# Altium PCB 606-100835-r03.pcbdoc (part 2 of 3) (continued)
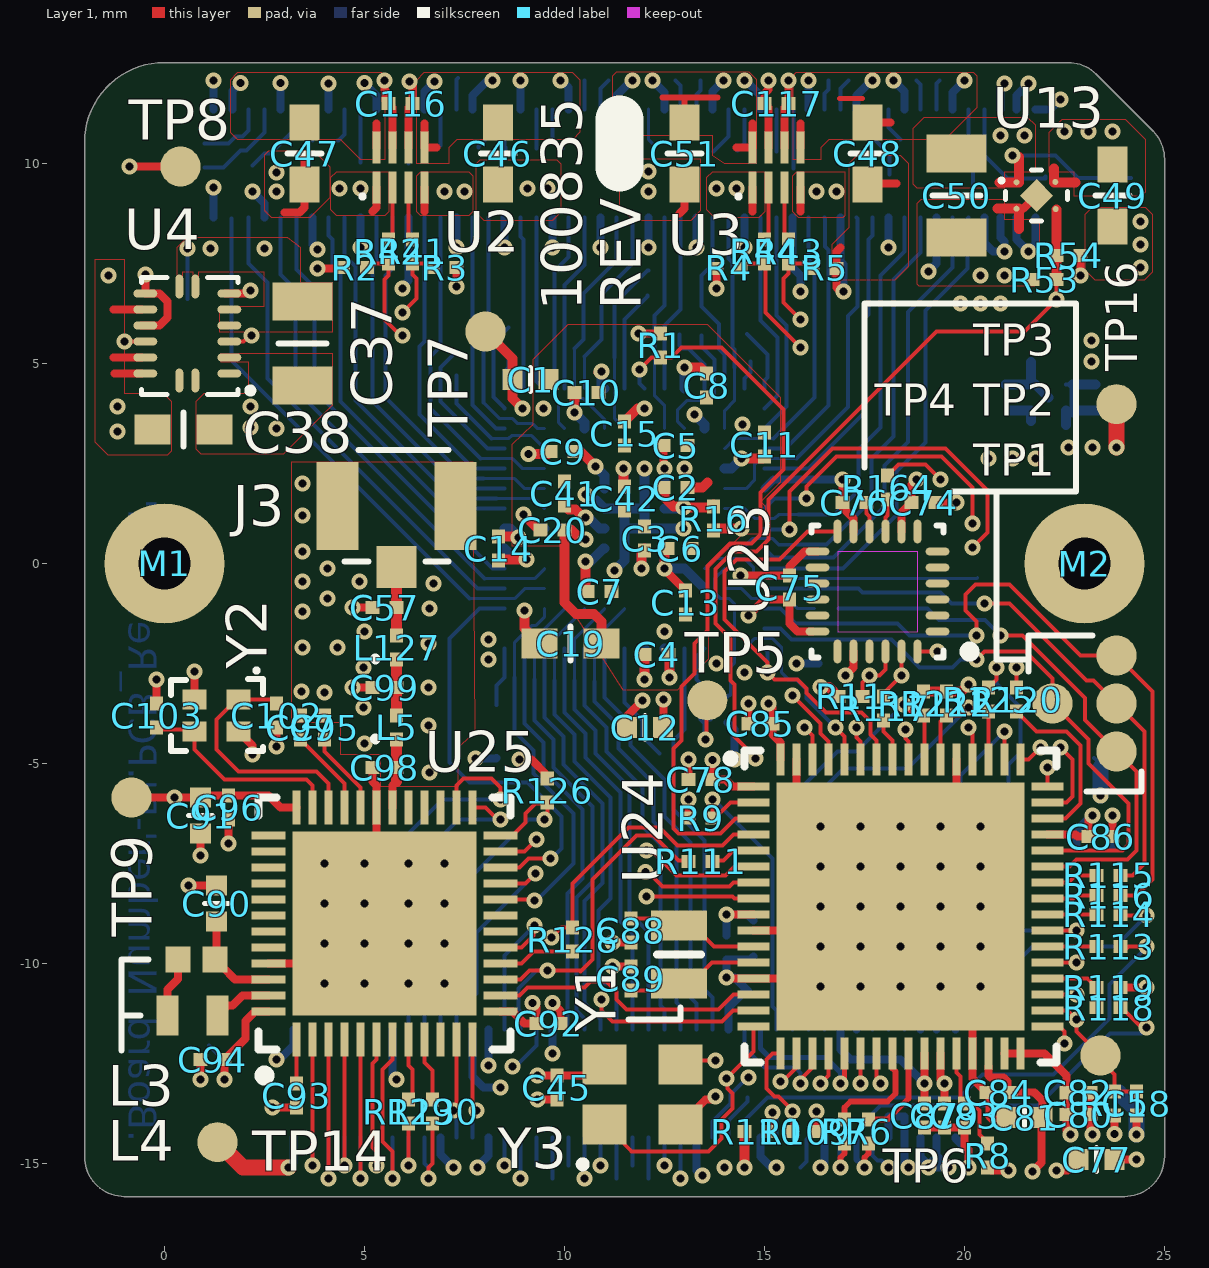
[diagram p0: Layer 1 view]
## Nets (pads, with @x,y where several pads share a name; then routed paths per layer and width w, separated by ;. In a path a pad name is that pad's centre, name@x,y a point inside that pad or via, vN(x,y) a via of type N, cw(c..) or ccw(c..) an arc to the next point about the centre after c; other vN are vias at no path point) (continued)
  Layer 6 w0.1: 8.75,-2.85 8.75,-4.2 9.225,-4.675 9.225,-5.25 10.225,-6.25 10.225,-7.5 9.325,-8.4 9.275,-8.4 v1(9.25,-8.425)
NRF_NCS: U24.14 U25.14 | length 7
  Layer 1 w0.1: U25.14@8.4,-10.8 8.875,-10.8 9.075,-10.6 10.5,-10.6 10.65,-10.45 11.05,-10.45 11.3,-10.7 11.3,-10.9 11.55,-11.15 13.85,-11.15 14.225,-10.775 U24.14@14.725,-10.775
NRF_NRST: J2.18 R126.2 U25.24 | length 8.7
  Layer 1 w0.1: U25.24@8.4,-6.8 8.7,-6.8 9.025,-6.475 9.025,-6.25 9.275,-6 9.544,-6 R126.2@9.569,-5.975 9.569,-6.419 9.55,-6.4 v1(9.5,-6.4)
  Layer 6 w0.1: J2.18@6.9,-11.645 6.9,-11.175 7.4,-10.675 7.4,-8.1 9.1,-6.4 v1(9.5,-6.4)
NRF_SWDCLK: J2.16 U25.25 | length 7.5
  Layer 1 w0.1: U25.25@7.7,-6.1 8.025,-6.1 8.325,-6.4 v1(8.4,-6.4)
  Layer 6 w0.1: J2.16@6.5,-11.645 6.5,-11.15 6.6,-11.05 6.6,-7.15 7.35,-6.4 v1(8.4,-6.4)
NRF_SWDIO: J2.14 U25.26 | length 10.1
  Layer 1 w0.1: U25.26@7.3,-6.1 7.3,-5.55 7.475,-5.375 8.175,-5.375 8.4,-5.6 v1(8.4,-5.9)
  Layer 6 w0.1: J2.14@6.1,-11.645 6.1,-11.15 5.6,-10.65 5.6,-7.25 6.95,-5.9 v1(8.4,-5.9)
NRF_SWO: J2.20 U25.21 | length 5.7
  Layer 1 w0.1: U25.21@8.4,-8 9.025,-8 v1(9.275,-7.75)
  Layer 6 w0.1: J2.20@7.3,-11.645 7.3,-11.25 7.8,-10.75 7.8,-9.225 v1(9.275,-7.75)
POWER_EN: R53.1 R54.2 U4.3 U4.12 U13.3 U24.16 Y3.1 | length 67.6
  Layer 1 w0.1: v1(-1,5.55) U4.12@-0.48,5.55 ; U4.3@1.62,5.55 1.975,5.55 2.125,5.7 v1(2.175,5.7) v1@2.175,5.575 ; Y3.1@11.006,-14.025 11.681,-14.7 13.6,-14.7 13.925,-14.375 13.925,-13.9 14.2,-13.625 14.2,-13.255 14.075,-13.13 v1@14.075,-13.025 ; v1@14.1,-12.875 v1(14.05,-12.875) 14.725,-12.2 U24.16@14.725,-11.575 ; v1(14.78,-4.88) 14.78,-4.855 14.374,-4.449 14.249,-4.323 14.249,-3.355 14.25,-3.354 14.25,-3.02 14.15,-2.92 14.15,-1.875 13.779,-1.504 13.779,-0.138 14.217,0.3 14.8,0.3 15.1,0.6 15.1,1.6 19.3,5.8 21.5,5.8 v1(22.3,6.6) R53.1@22.3,7.1
  Layer 1 w0.25: R53.1@22.3,7.1 R54.2@22.3,7.7 U13.3@22.3,8.85
  Layer 3 w0.1: v1@2.225,5.725 2.213,5.687 v1@2.175,5.575 ; v1@2.25,5.575 v1@2.175,5.575 ; v1(22.3,6.6) 22.3,8.075 21.525,8.85 -0.225,8.85 -1,8.075 v1(-1,5.55) 1.55,5.55 1.7,5.7 2.05,5.7 v1@2.175,5.575
  Layer 4 w0.1: v1(14.05,-12.875) 14.05,-12.85 14.225,-12.675 14.225,-11.965 13.5,-11.24 13.5,-9.286 13.3,-9.086 13.3,-8.29 14.1,-7.49 14.1,-5.56 14.76,-4.9 v1@14.8,-4.9
RADIO_GPIO_1: J2.1 U25.2 | length 3.9
  Layer 1 w0.1: v1@3.7,-15.099 v1(3.7,-15.05) U25.2@3.7,-11.9
  Layer 6 w0.1: v1(3.7,-15.05) J2.1@3.7,-14.355
RADIO_GPIO_2: J2.3 U25.3 | length 4.5
  Layer 1 w0.1: v1(4.1,-15.375) U25.3@4.1,-11.9
  Layer 6 w0.1: v1(4.1,-15.375) J2.3@4.1,-14.355
RADIO_GPIO_3: J2.5 U25.4 | length 3.8
  Layer 1 w0.1: v1(4.5,-15.05) U25.4@4.5,-11.9
  Layer 6 w0.1: v1(4.5,-15.05) J2.5@4.5,-14.355
RADIO_GPIO_4: J2.7 U25.5 | length 4.5
  Layer 1 w0.1: v1(4.9,-15.375) U25.5@4.9,-11.9
  Layer 6 w0.1: v1(4.9,-15.375) J2.7@4.9,-14.355
RADIO_GPIO_5: J2.9 U25.6 | length 3.9
  Layer 1 w0.1: v1(5.3,-15.05) 5.3,-14.7 5.2,-14.6 5.2,-12.5 5.3,-12.4 U25.6@5.3,-11.9
  Layer 6 w0.1: v1(5.3,-15.05) J2.9@5.3,-14.355
RADIO_GPIO_6: J2.11 U25.7 | length 4.7
  Layer 1 w0.1: v1(5.7,-15.375) 5.7,-14.7 5.45,-14.45 5.45,-12.65 5.7,-12.4 U25.7@5.7,-11.9
  Layer 6 w0.1: v1(5.7,-15.375) J2.11@5.7,-14.355
RADIO_GPIO_7: J2.13 R129.1 | length 1.7
  Layer 1 w0.1: v1(6.1,-15.05) R129.1@6.1,-14
  Layer 6 w0.1: v1(6.1,-15.05) J2.13@6.1,-14.355
RADIO_GPIO_8: J2.15 R130.1 | length 2.5
  Layer 1 w0.1: v1(6.6,-15.375) 6.6,-15.1 6.7,-15 R130.1@6.7,-14
  Layer 6 w0.1: J2.15@6.5,-14.355 6.5,-15 6.6,-15.1 v1(6.6,-15.375)
SCL: J2.59 R110.2 U24.8 | length 11.6
  Layer 1 w0.1: v1(12.05,-8.325) 14.2,-8.325 14.25,-8.375 U24.8@14.725,-8.375 ; R110.2@15.1,-14.2 15.2,-14.1 v1(15.2,-13.725)
  Layer 4 w0.1: v1(12.05,-8.325) 12.05,-8.35 12.6,-8.9 12.6,-12.775 13.55,-13.725 v1(15.2,-13.725)
  Layer 6 w0.1: v1(15.2,-13.725) 15.3,-13.825 J2.59@15.3,-14.355
SDA: J2.61 R109.2 U24.17 | length 3.2
  Layer 1 w0.1: U24.17@15.4,-12.25 15.2,-12.25 15.05,-12.4 15.05,-13.125 15.25,-13.325 15.35,-13.325 15.7,-13.675 v1(15.7,-13.7) R109.2@15.7,-14.2
  Layer 6 w0.1: J2.61@15.7,-14.355 v1(15.7,-13.7)
SENSOR_A1: J1.1 U1.C11 | length 13.9
  Layer 6 w0.083: 7.625,-0.875 8.75,-0.875 9,-0.625 U1.C11@9.5,-0.625
  Layer 6 w0.1: J1.1@1.675,8.62 1.675,5.075 7.625,-0.875
SENSOR_A2: J1.4 U1.D11 | length 20.9
  Layer 4 w0.1: v2(1,10.5) -0.12,9.38 -0.12,7.005 -0.225,6.9 -0.225,4.275 1.6,2.45 3.775,2.45 5.85,0.375 6.725,0.375 7.85,-0.75 9.875,-0.75 v2(10,-0.625)
  Layer 6 w0.1: v2(1,10.5) 1.6,10.5 1.775,10.675 1.95,10.675 2.1,10.825 J1.4@2.1,11.355
SENSOR_A3: J1.7 U1.C10 | length 12.7
  Layer 6 w0.083: 8,-0.375 9.25,-0.375 U1.C10@9.5,-0.125
  Layer 6 w0.1: J1.7@2.9,8.645 2.9,7.225 3.275,6.85 3.275,4.35 8,-0.375
SENSOR_A4: J1.10 U1.D9 | length 17.3
  Layer 4 w0.1: v2(2.2,9.95) 2.15,9.95 1.7,9.5 1.7,8.025 2.74,6.985 2.74,4.985 6.525,1.2 6.9,1.2 8.4,-0.3 9.325,-0.3 v2(10,0.375)
  Layer 6 w0.1: v2(2.2,9.95) 2.5,10.25 2.65,10.25 3.3,10.9 J1.10@3.3,11.355
SENSOR_A5: J1.13 U1.A7 | length 9.9
  Layer 6 w0.1: J1.13@4.1,8.645 4.1,8.2 4.2,8.1 4.2,7.5 4.4,7.3 4.4,4.05 7.075,1.375 U1.A7@8.5,1.375
SENSOR_A6: J1.16 U1.D7 | length 14
  Layer 4 w0.1: v2(4.325,10.575) 4.325,10.025 3.95,9.65 3.95,9.175 4.35,8.775 4.35,4.775 7.25,1.875 9.249,1.875 9.749,1.375 v2(10,1.375)
  Layer 6 w0.1: v2(4.325,10.575) 4.35,10.575 4.5,10.725 J1.16@4.5,11.355
SENSOR_A7: J1.19 U1.A6 | length 8.8
  Layer 6 w0.1: J1.19@5.3,8.645 5.3,7.525 5.2,7.425 5.2,4.05 7.375,1.875 U1.A6@8.5,1.875
SENSOR_A8: J1.22 U1.D5 | length 12
  Layer 4 w0.1: v2(5.7,10.525) 5.7,7.35 5.525,7.175 5.525,4.975 7.725,2.775 8.35,2.775 8.75,2.375 v2(10,2.375)
  Layer 6 w0.1: v2(5.7,10.525) J1.22@5.7,11.355
SENSOR_A9: J1.25 U1.A5 | length 7.7
  Layer 6 w0.1: J1.25@6.5,8.645 6.5,5.55 6.375,5.425 6.375,3.725 7.725,2.375 U1.A5@8.5,2.375
SENSOR_A10: J1.28 U1.A4 | length 10
  Layer 4 w0.1: v2(6.9,10.45) 6.9,9.9 6.575,9.575 6.575,7.8 6.875,7.5 6.875,6.675 7.3,6.25 v2(7.3,5.3)
  Layer 6 w0.1: v2(6.9,10.45) J1.28@6.9,11.355 ; v2(7.3,5.3) 6.9,4.9 6.9,4.05 8.075,2.875 U1.A4@8.5,2.875
SENSOR_A11: J1.31 U1.A3 | length 5.7
  Layer 6 w0.1: J1.31@7.7,8.645 7.7,3.959 8.284,3.375 U1.A3@8.5,3.375
SENSOR_A12: J1.34 U1.A2 | length 8.2
  Layer 4 w0.1: v2(7.85,10.4) 7.85,10.025 8.2,9.675 8.2,8.275 8.1,8.175 8.1,7.375 8.6,6.875 v2(8.6,5.9)
  Layer 6 w0.1: v2(7.85,10.4) 7.85,10.425 8.1,10.675 J1.34@8.1,11.355 ; U1.A2@8.5,3.875 8.5,3.887 8.225,4.162 8.225,5.525 v2(8.6,5.9)
SENSOR_A13: J1.37 U1.B1 | length 4.3
  Layer 6 w0.1: J1.37@8.9,8.645 8.9,8.175 8.975,8.1 8.975,4.4 U1.B1@9,4.375
SENSOR_A14: J1.40 U1.E4 | length 9.6
  Layer 4 w0.1: v2(9.3,10.375) 9.3,10.4 10,9.7 10,8.975 9.325,8.3 9.325,4.625 9.85,4.1 9.85,3.525 v2(10.5,2.875)
  Layer 6 w0.1: v2(9.3,10.375) J1.40@9.3,11.355
SENSOR_A15: J1.43 U1.D3 | length 5.5
  Layer 6 w0.083: 9.75,4.5 9.75,4.271 9.751,4.149 9.85,4.05 9.85,3.525 U1.D3@10,3.375
  Layer 6 w0.1: 9.75,4.5 9.75,7.31 10.1,7.66 J1.43@10.1,8.645
SENSOR_A16: J1.46 U1.G4 | length 10.5
  Layer 4 w0.1: v2(10.5,12.075) 10.5,10.6 10.675,10.425 10.675,8.425 10.475,8.225 10.475,4.65 11.125,4 11.125,3.55 11.5,3.175 v2(11.5,2.875)
  Layer 6 w0.1: J1.46@10.5,11.355 v2(10.5,12.075)
SENSOR_A17: J1.49 U1.F3 | length 6.1
  Layer 6 w0.083: 10.251,4.27 10.251,4.199 10.325,4.125 10.475,4.125 11,3.6 U1.F3@11,3.375 ; 10.25,4.271 10.25,5.149 10.251,5.376
  Layer 6 w0.1: 10.251,5.376 10.47,5.595 10.47,6.745 11.3,7.575 J1.49@11.3,8.645
SENSOR_A18: J1.52 U1.G1 | length 7.6
  Layer 4 w0.1: v2(11.6,10.5) 11.6,10.125 11.45,9.975 11.45,8.6 11.7,8.35 11.7,7.075 v2(12.075,6.7)
  Layer 6 w0.1: U1.G1@11.5,4.375 11.5,6.1 12.075,6.675 v2(12.075,6.7) ; v2(11.6,10.5) 11.7,10.6 J1.52@11.7,11.355
SENSOR_A19: J1.55 U1.J3 | length 5.5
  Layer 6 w0.083: 12.25,4.271 12.25,5.174 ; 12.251,4.27 12.251,4.198 12.5,3.949 U1.J3@12.5,3.375
  Layer 6 w0.1: 12.251,5.175 12.251,6.201 12.5,6.45 J1.55@12.5,8.645
SENSOR_A20: J1.58 U1.L1 | length 8.9
  Layer 4 w0.1: v2(12.775,12.075) 12.775,8.525 12.675,8.425 12.675,6.575 12.875,6.375 v2(12.875,5.725)
  Layer 6 w0.1: v2(12.775,12.075) 12.9,11.95 J1.58@12.9,11.355 ; v2(12.875,5.725) 12.875,5.45 12.95,5.375 13.1,5.375 13.5,4.975 U1.L1@13.5,4.375
SENSOR_A21: J1.61 U1.M1 | length 4.6
  Layer 6 w0.1: J1.61@13.7,8.645 13.7,7.475 13.425,7.2 13.425,6.425 13.863,5.987 13.863,5.362 14,5.225 U1.M1@14,4.375
SENSOR_A22: J1.64 U1.N1 | length 8
  Layer 4 w0.1: v2(13.725,10.3) 13.675,10.3 13.65,10.325 13.688,10.288 13.4,10 13.4,8.95 13.875,8.475 13.875,7.475 14.2,7.15 14.2,5.45 14.6,5.05 v2(14.65,5.05)
  Layer 6 w0.1: v2(13.725,10.3) 14.1,10.675 J1.64@14.1,11.355 ; U1.N1@14.5,4.375 14.5,4.625 14.65,4.775 v2(14.65,5.05)
SENSOR_A23: J1.67 U1.P2 | length 5.1
  Layer 6 w0.1: J1.67@14.9,8.645 14.9,6.075 15.325,5.65 15.325,4.2 U1.P2@15,3.875
SENSOR_A24: J1.70 U1.K4 | length 10.5
  Layer 4 w0.1: v2(13,2.875) 13,3.375 12.8,3.575 12.8,4 13.15,4.35 14.675,4.35 15.2,4.875 15.2,9.9 15.3,10 v2(15.3,10.3)
  Layer 6 w0.1: v2(15.3,10.3) 15.3,10.9 J1.70@15.3,11.355
SENSOR_A25: J1.73 U1.M4 | length 7.3
  Layer 6 w0.083: U1.M4@14,2.875 14.249,3.125 15.225,3.125
  Layer 6 w0.1: 15.225,3.125 16.25,4.15 16.25,7.45 16.1,7.6 J1.73@16.1,8.645
SENSOR_A26: J1.76 U1.L5 | length 12.6
  Layer 4 w0.1: v2(13.5,2.375) 14.25,3.125 14.775,3.125 16.3,4.65 16.3,8.15 17.25,9.1 17.25,9.725 16.6,10.375 v2(16.6,12.075)
  Layer 6 w0.1: J1.76@16.5,11.355 16.5,11.75 16.6,11.85 v2(16.6,12.075)
SENSOR_A27: J1.79 U1.M6 | length 9
  Layer 6 w0.083: U1.M6@14,1.875 14.538,1.875 14.75,2.088 14.75,2.478 14.897,2.625 15.804,2.625
  Layer 6 w0.1: 15.804,2.625 17.09,3.91 17.09,6.19 17.325,6.425 17.325,8.62 J1.79@17.3,8.645
SENSOR_A28: J1.82 U1.L8 | length 12.8
  Layer 4 w0.1: v2(13.5,0.875) 13.825,0.875 17.37,4.42 17.37,8.295 18.125,9.05 v2(18.125,9.725)
  Layer 6 w0.1: J1.82@17.7,11.355 17.7,10.65 18.125,10.225 v2(18.125,9.725)
SENSOR_A29: J1.85 U1.M7 | length 11
  Layer 6 w0.083: U1.M7@14,1.375 14.501,1.375 14.75,1.125 15.251,1.125 15.35,1.225 15.85,1.225
  Layer 6 w0.1: 15.85,1.225 16.75,1.225 17.35,1.825 17.35,2.85 17.9,3.4 17.9,7.2 18.5,7.8 J1.85@18.5,8.645
SENSOR_A30: J1.88 U1.L12 | length 17.2
  Layer 4 w0.1: v2(13.5,-1.125) 13.5,-0.525 14.075,0.05 15.45,0.05 17.425,2.025 17.425,3.225 18.175,3.975 18.175,7.375 19.125,8.325 19.125,10.725 18.8,11.05 v2(18.8,12.075)
  Layer 6 w0.1: v2(18.8,12.075) 18.9,11.975 J1.88@18.9,11.355
SENSOR_A31: J1.91 U1.P9 | length 11.5
  Layer 6 w0.1: U1.P9@15,0.375 15.225,0.15 16.72,0.15 18,1.43 18,2.45 18.59,3.04 18.59,6.29 19.7,7.4 J1.91@19.7,8.645
SENSOR_A32: J1.94 U1.J12 | length 18.1
  Layer 4 w0.1: v2(12.5,-1.125) 13.075,-1.7 15.175,-1.7 18.075,1.2 18.075,2.725 19.52,4.17 19.52,7.07 20.225,7.775 v2(20.225,9.425)
  Layer 6 w0.1: J1.94@20.1,11.355 20.1,9.975 20.212,9.862 20.212,9.437 v2(20.225,9.425)
SENSOR_B1: J1.3 U1.A11 | length 12.3
  Layer 6 w0.1: J1.3@2.1,8.645 2.1,7.5 2.575,7.025 2.575,4.625 7.825,-0.625 U1.A11@8.5,-0.625
SENSOR_B2: J1.6 U1.D10 | length 20.1
  Layer 4 w0.1: v2(1,9.9) 0.2,9.1 0.2,4.79 2.14,2.85 4.125,2.85 6.175,0.8 6.75,0.8 8.075,-0.525 9.6,-0.525 v2(10,-0.125)
  Layer 6 w0.1: v2(1,9.9) 1.475,9.9 1.9,10.325 2.05,10.325 2.5,10.775 J1.6@2.5,11.355
SENSOR_B3: J1.9 U1.A10 | length 11.1
  Layer 6 w0.1: J1.9@3.3,8.645 3.3,7.35 3.75,6.9 3.75,4.325 8.2,-0.125 U1.A10@8.5,-0.125
SENSOR_B4: J1.12 U1.C9 | length 14.9
  Layer 4 w0.1: v2(3.7,10.575) 3.7,9.975 3.475,9.75 3.475,6.95 3.47,6.945 3.47,4.955 6.775,1.65 9.045,1.65 9.5,1.195 v2(9.5,0.375)
  Layer 6 w0.1: v2(3.7,10.575) J1.12@3.7,11.355
SENSOR_B5: J1.15 U1.C7 | length 10.5
  Layer 6 w0.083: 8.3,1.625 8.603,1.625 9.251,1.624 U1.C7@9.5,1.375
  Layer 6 w0.1: J1.15@4.5,8.645 4.5,7.7 4.775,7.425 4.775,4.075 7.225,1.625 8.3,1.625
SENSOR_B6: J1.18 U1.D6 | length 13.1
  Layer 4 w0.1: v2(4.9,10.025) 4.95,10.025 5.375,9.6 5.375,7.575 4.98,7.18 4.98,4.845 7.701,2.125 9.476,2.125 9.725,1.875 v2(10,1.875)
  Layer 6 w0.1: v2(4.9,10.025) 4.9,10.343 J1.18@4.9,11.355
SENSOR_B7: J1.21 U1.C6 | length 9.5
  Layer 6 w0.083: 7.975,2.125 8.75,2.125 9,1.875 U1.C6@9.5,1.875
  Layer 6 w0.1: J1.21@5.7,8.645 5.7,7.375 5.525,7.2 5.525,4.15 7.55,2.125 7.975,2.125
SENSOR_B8: J1.24 U1.D4 | length 11.1
  Layer 4 w0.1: v2(6.1,10) 6.1,7.725 6.36,7.465 6.36,4.815 7.8,3.375 9.175,3.375 9.675,2.875 v2(10,2.875)
  Layer 6 w0.1: v2(6.1,10) J1.24@6.1,11.355
SENSOR_B9: J1.27 U1.C5 | length 8.3
  Layer 6 w0.083: 7.895,2.625 8.7,2.625 8.95,2.375 U1.C5@9.5,2.375
  Layer 6 w0.1: J1.27@6.9,8.645 6.9,5.425 6.65,5.175 6.65,3.87 7.895,2.625
SENSOR_B10: J1.30 U1.C4 | length 12
  Layer 4 w0.1: v2(7.3,4.7) 7.66,5.06 7.66,8.385 7.9,8.625 7.9,9.5 7.3,10.1 v2(7.3,12)
  Layer 6 w0.083: 8.176,3.124 8.396,3.124 8.398,3.125 8.603,3.125 8.678,3.2 9.175,3.2 U1.C4@9.5,2.875
  Layer 6 w0.1: v2(7.3,4.7) 7.3,4 8.176,3.124 ; J1.30@7.3,11.355 7.3,12.1 v2@7.337,12.137
SENSOR_B11: J1.33 U1.C3 | length 6.5
  Layer 6 w0.083: 7.975,4.025 8.375,3.625 8.7,3.625 8.825,3.5 9.2,3.5 9.325,3.375 U1.C3@9.5,3.375
  Layer 6 w0.1: 7.975,4.025 7.975,5.975 8.1,6.1 J1.33@8.1,8.645
SENSOR_B12: J1.36 U1.A1 | length 7.6
  Layer 4 w0.1: v2(8.525,10.4) 8.525,8.625 8.95,8.2 8.95,5.65 v2(8.6,5.3)
  Layer 6 w0.1: U1.A1@8.5,4.375 8.5,4.8 8.6,4.9 v2(8.6,5.3) ; J1.36@8.5,11.355 8.5,10.3 8.525,10.325 v2(8.525,10.4)
SENSOR_B13: J1.39 U1.C1 | length 4.4
  Layer 6 w0.1: J1.39@9.3,8.645 9.3,4.55 9.45,4.4 9.475,4.4 U1.C1@9.5,4.375
SENSOR_B14: J1.42 U1.F4 | length 9.2
  Layer 4 w0.1: v2(9.95,10.4) 10.3,10.05 10.3,8.525 10.1,8.325 10.1,4.55 10.7,3.95 10.7,3.45 11,3.15 v2(11,2.875)
  Layer 6 w0.1: J1.42@9.7,11.355 9.7,10.625 9.95,10.375 v2(9.95,10.4)
SENSOR_B15: J1.45 U1.D1 | length 4.5
  Layer 6 w0.1: U1.D1@10,4.375 10,6.96 10.5,7.46 J1.45@10.5,8.645
SENSOR_B16: J1.48 U1.H4 | length 10.4
  Layer 4 w0.1: v2(11.1,12.075) 11.1,8.375 11.35,8.125 11.35,4.6 11.525,4.425 11.525,3.725 12,3.25 v2(12,2.875)
  Layer 6 w0.1: J1.48@10.9,11.355 10.9,11.875 v2(11.1,12.075)
SENSOR_B17: J1.51 U1.E1 | length 4.8
  Layer 6 w0.083: U1.E1@10.5,4.375 10.5,5.175
  Layer 6 w0.1: 10.5,5.175 10.925,5.6 10.925,6.725 11.7,7.5 J1.51@11.7,8.645
SENSOR_B18: J1.54 U1.G3 | length 9
  Layer 4 w0.1: v2(12.1,7.325) 12.1,7.2 12.063,7.237 12.45,7.625 12.45,10.25 v2(12.2,10.5)
  Layer 6 w0.083: 11.25,5.15 11.25,3.625 U1.G3@11.5,3.375 ; J1.54@12.1,11.355 12.1,10.6 v2(12.2,10.5)
  Layer 6 w0.1: 11.25,5.15 11.25,6.5 12.075,7.325 v2(12.1,7.325)
SENSOR_B19: J1.57 U1.J1 | length 4.4
  Layer 6 w0.1: U1.J1@12.5,4.375 12.5,5.95 12.9,6.35 J1.57@12.9,8.645
SENSOR_B20: J1.60 U1.K3 | length 10.8
  Layer 4 w0.1: v2(13.4,12.075) 13.375,12.075 13.1,11.8 13.1,8.475 12.95,8.325 12.95,6.775 13.425,6.3 v2(13.425,5.7)
  Layer 6 w0.083: U1.K3@13,3.375 12.825,3.55 12.825,3.85 13.05,4.075 13.625,4.075 13.75,4.2 13.75,4.75
  Layer 6 w0.1: J1.60@13.3,11.355 13.3,11.725 13.4,11.825 v2(13.4,12.075) ; v2(13.425,5.7) 13.425,5.425 13.75,5.101 13.75,4.75
SENSOR_B21: J1.63 U1.M3 | length 5.4
  Layer 6 w0.083: U1.M3@14,3.375 14,3.825 14.25,4.075 14.25,4.9
  Layer 6 w0.1: J1.63@14.1,8.645 14.1,7.625 14.2,7.525 14.2,5.4 14.25,5.35 14.25,4.9
SENSOR_B22: J1.66 U1.P1 | length 7.8
  Layer 4 w0.1: v2(14.325,10.325) 14.35,10.325 14.75,9.925 14.75,8.4 14.9,8.25 14.9,7.625 14.65,7.375 v2(14.65,5.625)
  Layer 6 w0.1: v2(14.325,10.325) 14.5,10.5 J1.66@14.5,11.355 ; v2@14.562,5.738 15.075,5.225 15.075,4.65 15,4.575 U1.P1@15,4.375
SENSOR_B23: J1.69 U1.P3 | length 5.6
  Layer 6 w0.1: U1.P3@15,3.375 15.55,3.925 15.55,5.95 15.3,6.2 J1.69@15.3,8.645
SENSOR_B24: J1.72 U1.L4 | length 9.8
  Layer 4 w0.1: v2(13.5,2.875) 13.5,3.25 14.225,3.975 14.875,3.975 15.55,4.65 15.55,7.35 15.725,7.525 v2(15.725,9.875)
  Layer 6 w0.1: J1.72@15.7,11.355 15.725,11.33 v2(15.725,9.875)
SENSOR_B25: J1.75 U1.P4 | length 6.8
  Layer 6 w0.1: U1.P4@15,2.875 15.525,2.875 16.6,3.95 16.6,7.84 16.51,7.93 16.51,8.635 J1.75@16.5,8.645
SENSOR_B26: J1.78 U1.L6 | length 13.3
  Layer 4 w0.1: v2(13.5,1.875) 14.25,1.875 16.6,4.225 16.6,8 17.575,8.975 17.575,9.95 17.1,10.425 v2(17.1,12.075)
  Layer 6 w0.1: J1.78@16.9,11.355 16.9,11.875 v2(17.1,12.075)
SENSOR_B27: J1.81 U1.P5 | length 8
  Layer 6 w0.1: U1.P5@15,2.375 16.1,2.375 17.5,3.775 17.5,6.125 17.6,6.225 17.6,8.1 17.7,8.2 J1.81@17.7,8.645
SENSOR_B28: J1.84 U1.L9 | length 13.9
  Layer 4 w0.1: v2(13.5,0.375) 14.475,0.375 14.95,0.85 14.95,1.325 17.75,4.125 17.75,8.2 18.625,9.075 18.625,9.975 18.4,10.2 v2(18.4,10.6)
  Layer 6 w0.1: J1.84@18.1,11.355 18.1,10.9 v2(18.4,10.6)
SENSOR_B29: J1.87 U1.M9 | length 11.9
  Layer 6 w0.083: U1.M9@14,0.375 14.45,0.375 14.7,0.625 15.2,0.625 15.355,0.47 15.78,0.47
  Layer 6 w0.1: 15.78,0.47 16.55,0.47 17.67,1.59 17.67,2.62 18.23,3.18 18.23,7.105 18.9,7.775 J1.87@18.9,8.645
SENSOR_B30: J1.90 U1.K12 | length 18.4
  Layer 4 w0.1: v2(13,-1.125) 13.375,-1.5 13.65,-1.5 14.275,-0.875 15.375,-0.875 17.775,1.525 17.775,2.975 18.7,3.9 18.7,7.425 19.725,8.45 19.725,10.85 19.375,11.2 v2(19.375,12.075)
  Layer 6 w0.1: J1.90@19.3,11.355 19.3,12 v2(19.375,12.075)
SENSOR_B31: J1.93 U1.P10 | length 12
  Layer 6 w0.1: U1.P10@15,-0.125 16.965,-0.125 18.3,1.21 18.3,2.3 19.03,3.03 19.03,6.325 20.08,7.375 20.08,8.625 J1.93@20.1,8.645
SENSOR_B32: J1.96 U1.H12 | length 21.7
  Layer 4 w0.1: v2(12,-1.125) 12,-1.8 12.3,-2.1 12.9,-2.1 13.1,-1.9 15.6,-1.9 18.45,0.95 18.45,2.45 21.625,5.625 21.625,6.925 22.025,7.325 v2(22.025,9.625)
  Layer 6 w0.1: J1.96@20.5,11.355 20.5,10.2 21.075,9.625 21.975,9.625 22.025,9.675 v2(22.025,9.625)
SENSOR_VCC1: C47.1 J1.2 J1.8 J1.14 J1.20 U2.8 | length 3.4
  Layer 1 w0.19: U2.8@5.3,10.4 5.3,11
  Layer 6 w0.2: J1.2@1.7,11.355 1.7,11.817 v1(1.9,12.017) ; J1.8@2.9,11.355 v1(2.9,12.017) ; J1.14@4.1,11.355 v1(4.1,12) ; v1(5,12.017) 5,12 5.3,11.7 J1.20@5.3,11.355
SENSOR_VCC2: C46.1 J1.26 J1.32 J1.38 J1.44 U2.5 | length 4.3
  Layer 1 w0.19: 6.5,11 U2.5@6.5,10.4 6.8,10.4
  Layer 1 w0.2: v1@6.7,11.975 6.75,12.025 v1(6.75,12.05)
  Layer 6 w0.2: J1.26@6.5,11.355 6.5,11.8 v1(6.75,12.05) ; J1.32@7.7,11.355 7.7,11.7 8.075,12.075 v1(8.2,12.075) ; J1.38@8.9,11.355 v1(8.9,12.075) ; v1(9.9,12.075) 9.925,12.075 10.1,11.9 J1.44@10.1,11.355
SENSOR_VCC3: C51.1 J1.50 J1.56 J1.62 J1.68 U3.8 | length 6.5
  Layer 1 w0.15: 12.45,11.65 13,11.65 ; C51.1@13,11.025 13,11.65 ; 13.825,11.65 13,11.65
  Layer 1 w0.19: 14.3,10.4 U3.8@14.7,10.4 14.7,11
  Layer 6 w0.2: J1.50@11.3,11.355 11.3,11.7 11.675,12.075 v1(11.7,12.075) ; v1(12.2,12.075) 12.5,11.775 J1.56@12.5,11.355 ; J1.62@13.7,11.355 13.7,11.8 v1(13.975,12.075) ; v1(14.5,12.075) 14.525,12.075 14.9,11.7 J1.68@14.9,11.355
SENSOR_VCC4: C48.1 J1.74 J1.80 J1.86 J1.92 U3.5 | length 5
  Layer 1 w0.125: 16.875,11.625 17.45,11.625
  Layer 1 w0.19: U3.5@15.9,10.4 15.9,11
  Layer 1 w0.2: C48.1@17.575,11.025 18.15,11.025
  Layer 6 w0.2: J1.74@16.1,11.355 v1(16.1,12.075) ; J1.80@17.3,11.355 17.3,11.7 17.675,12.075 v1(17.7,12.075) ; v1(18.225,12.075) 18.5,11.8 J1.86@18.5,11.355 ; J1.92@19.7,11.355 19.7,11.775 v1(20,12.075)
SENSOR_VCC_EN1: R2.1 R42.1 U1.E11 | length 14.4
  Layer 1 w0.1: R2.1@5.057,7.4 5.157,7.5 R42.1@5.6,7.5 5.6,7.2 5.5,7.1 5.5,6.1 5.9,5.7 v1(5.95,5.7)
  Layer 3 w0.1: v1(5.95,5.7) 5.95,4.875 8.1,2.725 v1(8.1,-1.9)
  Layer 4 w0.1: v1(8.1,-1.9) 9.8,-1.9 10.5,-1.2 v2(10.5,-0.625)
SENSOR_VCC_EN2: R3.1 R41.1 U1.F11 | length 16.1
  Layer 1 w0.1: v1(5.95,6.275) 6.3,6.625 6.3,7.125 6.2,7.225 R41.1@6.2,7.5 6.643,7.5 R3.1@6.743,7.4
  Layer 3 w0.1: v1(5.95,6.275) 5.95,6.25 6.65,5.55 6.65,4.8 8.425,3.025 8.425,-1.45 8.575,-1.6 8.575,-2.225 8.4,-2.4 v1(8.1,-2.4)
  Layer 4 w0.1: v1(8.1,-2.4) 9.85,-2.4 11,-1.25 v2(11,-0.625)
SENSOR_VCC_EN3: R4.1 R44.1 U1.G11 | length 15.9
  Layer 1 w0.1: R4.1@14.4,7.375 14.525,7.5 R44.1@15,7.5 15.025,7.475 15.025,6.275 v1(15.9,5.4)
  Layer 3 w0.1: v1(13.8,-2.5) 13.8,-1.575 15.125,-0.25 15.125,3.875 15.9,4.65 v1(15.9,5.4)
  Layer 4 w0.1: v2(11.5,-0.625) 11.5,-0.7 11.35,-0.85 11.35,-1.9 11.95,-2.5 v1(13.8,-2.5)
SENSOR_VCC_EN4: R5.1 R43.1 U1.H11 | length 17.1
  Layer 1 w0.1: v1(15.9,6.1) 15.475,6.525 15.475,7.125 15.6,7.25 R43.1@15.6,7.5 16.075,7.5 R5.1@16.2,7.375
  Layer 3 w0.1: v1(14.5,-2.725) 14.5,-2.1 16.45,-0.15 16.45,5.55 v1(15.9,6.1)
  Layer 4 w0.1: v2(12,-0.625) 11.625,-1 11.625,-1.825 12.1,-2.3 13.1,-2.3 13.3,-2.1 14.2,-2.1 14.5,-2.4 v1(14.5,-2.725)
thieving-temp: 
USB_D_N: J2.69 R6.2 | length 1.5
  Layer 1 w0.146: v1(17.5,-15.1) 17.5,-14.85 17.6,-14.75 R6.2@17.6,-14.5
  Layer 6 w0.146: J2.69@17.3,-14.355 17.3,-14.899 17.325,-14.924 ; 17.325,-14.925 v1(17.5,-15.1)
USB_D_P: J2.67 R7.2 | length 1.4
  Layer 1 w0.146: v1(16.9,-15.1) 16.9,-14.85 17,-14.75 R7.2@17,-14.5
  Layer 6 w0.146: v1(16.9,-15.1) J2.67@16.9,-14.355
USB_MCU_D_N: R6.1 U24.25 | length 2.3
  Layer 1 w0.146: R6.1@17.6,-13.9 18.075,-13.9 18.6,-13.375 U24.25@18.6,-12.25
USB_MCU_D_P: R7.1 U24.24 | length 2.7
  Layer 1 w0.146: R7.1@17,-13.9 17,-13.6 17.15,-13.45 18.075,-13.45 18.273,-13.252 18.273,-12.7 18.2,-12.627 U24.24@18.2,-12.25
USB_VBUS: J2.71 R118.2 | length 10
  Layer 1 w0.1: R118.2@23.9,-11.1 23.925,-11.1 24.425,-11.6 v1(24.55,-11.6)
  Layer 6 w0.1: v1(18.1,-15.099) 17.925,-14.924 17.825,-14.924 17.7,-14.799 J2.71@17.7,-14.355 17.7,-13.75 17.9,-13.55 21.833,-13.55 23.633,-11.75 v1@24.425,-11.75
VBUS_IN: R118.1 R119.1 U24.36 | length 1.8
  Layer 1 w0.1: U24.36@22.075,-10.375 23.075,-10.375 R119.1@23.3,-10.6 R118.1@23.3,-11.1
VCC_1V2: C1.2 C2.1 C3.1 C15.1 C37.1 C41.1 C42.1 R16.1 TP7.1 TP10.1 U1.F8 U1.G6 U1.H9 U1.J4 U1.J7 U4.5 U4.7 U4.8 | length 10.9
  Layer 1 w0.25: TP7.1@8.025,5.8 8.7,5.125 C1.2@8.7,4.6 8.7,4.125 v1(8.95,3.875) ; C41.1@10,1.45 10.1,1.35 10.275,1.35 10.475,1.15 v1(10.525,1.15) ; v1(11.475,2.375) 11.475,1.95 C42.1@11.5,1.925 C42.1@11.5,1.875 ; C15.1@11.5,3.55 11.825,3.875 v1(12,3.875) ; v1(11.925,-0.125) 11.925,0.3 C3.1@12,0.375 ; C2.1@12.475,1.925 12.5,1.9 12.5,1.65 12.725,1.425 12.95,1.425 v1(12.975,1.4) 13.65,1.4 R16.1@13.725,1.475
  Layer 4 w0.25: v1(12,3.875) 12.5,3.375 v2(12.5,2.875)
  Layer 6 w0.1: TP10.1@0.575,6.608 v1(0.575,7.875)
  Layer 6 w0.25: v1(10.525,1.15) 10.6,1.15 10.875,0.875 U1.F8@11,0.875 ; v1(11.475,2.375) 11.475,1.9 U1.G6@11.5,1.875 ; v1(11.925,-0.125) 11.925,0.3 U1.H9@12,0.375 ; U1.J7@12.5,1.375 12.95,1.375 v1(12.975,1.4)
  other v1: 1.15,7.875 2.5,7.875
VCC_3V3_CORE: C4.1 C5.1 C6.1 C7.1 C8.1 C9.1 C10.1 C11.1 C12.2 C13.1 C14.1 C40.1 C45.1 C74.2 C75.2 C77.1 C78.2 C79.2 C80.2 C82.2 C85.2 C87.2 C91.1 C92.2 C94.2 C96.2 D1.A J2.22 J2.68 R8.1 R9.1 R11.1 R13.1 R15.1 R109.1 R110.1 R112.1 R122.1 R126.1 TP9.1 TP12.1 U1.A8 U1.E3 U1.F6 U1.F9 U1.H14 U1.J6 U1.J9 U1.K1 U1.L11 U1.M5 U6.1 U23.8 U23.13 U24.1 U24.26 U24.27 U24.31 U24.32 U24.64 U25.13 U25.36 U25.48 Y3.4 | length 50.6
  Layer 1 w0.2: TP9.1@-0.825,-5.85 v1(0.25,-5.85) C91.1@0.9,-5.85 0.95,-5.8 C96.2@1.6,-5.8 2.6,-5.8 2.9,-6.1 U25.36@3.3,-6.1 ; v1(1.5,-12.9) C94.2@1.5,-12.4 2.025,-11.875 2.025,-11.439 2.264,-11.2 U25.48@2.6,-11.2 ; U25.13@8.4,-11.2 8.7,-11.2 9,-11.5 C92.2@9.3,-11.5 9.3,-11.088 v1(9.2,-10.988) ; v1(8.875,-4.9) 9.175,-4.9 9.569,-5.294 R126.1@9.569,-5.375 ; v1(9.325,-12.8) C45.1@9.811,-12.8 10.731,-12.8 10.738,-12.792 10.796,-12.85 11.003,-12.85 Y3.4@11.127,-12.727 ; C12.2@11.565,-4.1 11.565,-3.81 v1(11.95,-3.425) ; C5.1@12.475,2.95 12.475,2.4 v1(12.5,2.375) ; v1@12.5,-0.15 C13.1@13.025,-0.675 ; R9.1@13.1,-6.365 v1(13.1,-5.9) ; v1(13.7,-4.912) C78.2@13.7,-5.4 14.025,-5.4 14.2,-5.575 U24.1@14.725,-5.575 ; v1(14.401,-0.3) 14.65,-0.3 14.651,-0.301 C75.2@15.625,-0.301 15.625,-0.075 16,0.3 U23.13@16.325,0.3 ; v1(15.1,-3.5) 15.199,-3.599 C85.2@15.199,-4.005 15.199,-4.274 15.4,-4.475 U24.64@15.4,-4.9 ; R109.1@16.3,-14.2 v1(16.3,-13.7) ; U23.8@18.425,0.8 18.425,1.275 C74.2@18.675,1.525 18.675,1.975 v1(18.8,2.1) ; C87.2@19,-13.49 v1(19,-13) 19,-12.8 U24.26@19,-12.25 ; U24.27@19.4,-12.25 19.4,-12.9 v1(19.5,-13) C79.2@19.5,-13.5 ; R8.1@20.6,-15.1 20.679,-15.179 v1(21.1,-15.179) ; U24.31@21,-12.25 U24.32@21.4,-12.25 22,-12.25 22.55,-12.8 C82.2@22.55,-13.231 C80.2@22.55,-13.775 22.55,-14.175 v1(22.65,-14.275) ; v1(22.3,-15.175) 22.574,-15.175 C77.1@22.85,-14.899 ; v1(23.75,-14.258) R15.1@23.75,-13.8
  Layer 1 w0.25: C14.1@8.35,0.675 8.85,0.675 v1(8.85,0.65) ; C9.1@10.25,2.8 10.4,2.8 v1(10.775,2.425) ; C10.1@10.25,4.275 10.25,3.776 v1(10.251,3.775) ; v1(10.525,0.05) 10.525,-0.65 C7.1@10.575,-0.7 ; v1(12,-2.9) 12,-2.75 C4.1@12,-2.275 ; v1@12.5,-0.15 v1(12.5,-0.125) 12.5,0.3 C6.1@12.575,0.375 ; v1(13,4.9) 13.4,4.9 C8.1@13.55,4.75 ; v1(14.425,2.625) 14.95,2.625 C11.1@15,2.675 ; v1(14.5,-15.099) R110.1@14.5,-14.2 ; v1(16.4,-3.092) 16.617,-3.092 R11.1@16.85,-3.325 ; R122.1@18.975,-3.2 R112.1@19.55,-3.2 19.925,-3.2 v1(20.1,-3.025)
  Layer 6 w0.1: TP12.1@1.107,-12.046 1.5,-12.439 v1(1.5,-12.9) ; v1@23.731,-14.239 v1(23.75,-14.258)
  Layer 6 w0.2: J2.22@7.7,-11.645 7.7,-12.825 7.975,-13.1 v1(8.4,-13.1) ; v1(7.775,-4.875) 8.285,-4.875 D1.A@8.3,-4.86 ; R13.1@14.075,-3.975 14.25,-4.15 v1(14.25,-4.9) ; J2.68@16.9,-11.645 16.9,-12.15 17.15,-12.4 18.4,-12.4 v1(19,-13)
  Layer 6 w0.25: U1.A8@8.5,0.875 8.65,0.875 8.85,0.675 v1(8.85,0.65) ; v1(10.251,3.775) 10.5,3.526 U1.E3@10.5,3.375 ; v1(10.525,0.05) 10.65,0.05 10.975,0.375 U1.F9@11,0.375 ; v1(10.775,2.425) 11,2.2 U1.F6@11,1.875 ; v1(12,-2.9) U1.H14@12,-2.125 ; U1.J9@12.5,0.375 v1(12.5,-0.125) 13,-0.125 13.025,-0.15 U1.L11@13.5,-0.625 ; U1.J6@12.5,1.875 v1@12.5,2.425 ; U1.K1@13,4.375 v1(13,4.9) ; U1.M5@14,2.375 14.175,2.375 v1(14.425,2.625) ; 21.125,3.825 21.665,3.825 21.665,3.565
  other v1: 14,-15.1 20.6,2.625 21.2,2.625 21.775,2.625
VCC_3V3_SENSORS: C50.1 C116.1 C117.1 TP8.1 TP11.1 U2.1 U2.4 U2.6 U3.1 U3.4 U3.6 U13.1 | length 11.3
  Layer 1 w0.19: v1(-0.878,9.925) 0.2,9.925 TP8.1@0.225,9.95 ; 5.2,8.8 5.3,8.9 U2.1@5.3,9.4 ; U2.6@6.1,10.4 6.1,11.4 C116.1@6.2,11.5 6.2,11.975 v1(6.125,12.05) ; 6.5,8.8 U2.4@6.5,9.4 ; 14.7,8.8 U3.1@14.7,9.4 ; U3.6@15.5,10.4 15.5,11.4 C117.1@15.6,11.5 v1(15.6,12.075) ; 15.9,8.8 U3.4@15.9,9.4
  Layer 1 w0.25: 20.875,9.525 21.365,9.525 v1@21.365,10.165
  Layer 6 w0.1: v1(21.2,10.2) 22.273,10.2 22.838,9.635 TP11.1@24.162,9.635
  other v1: 7,9.3 7.5,9.3 16.3,9.3 16.8,9.3 4.372,9.375 4.9,9.375 13.8,9.375 14.3,9.375 20.9,10.7 21.5,10.7